# KiCad board PANEL_DRY_ELECTRODES.kicad_pcb (continued)
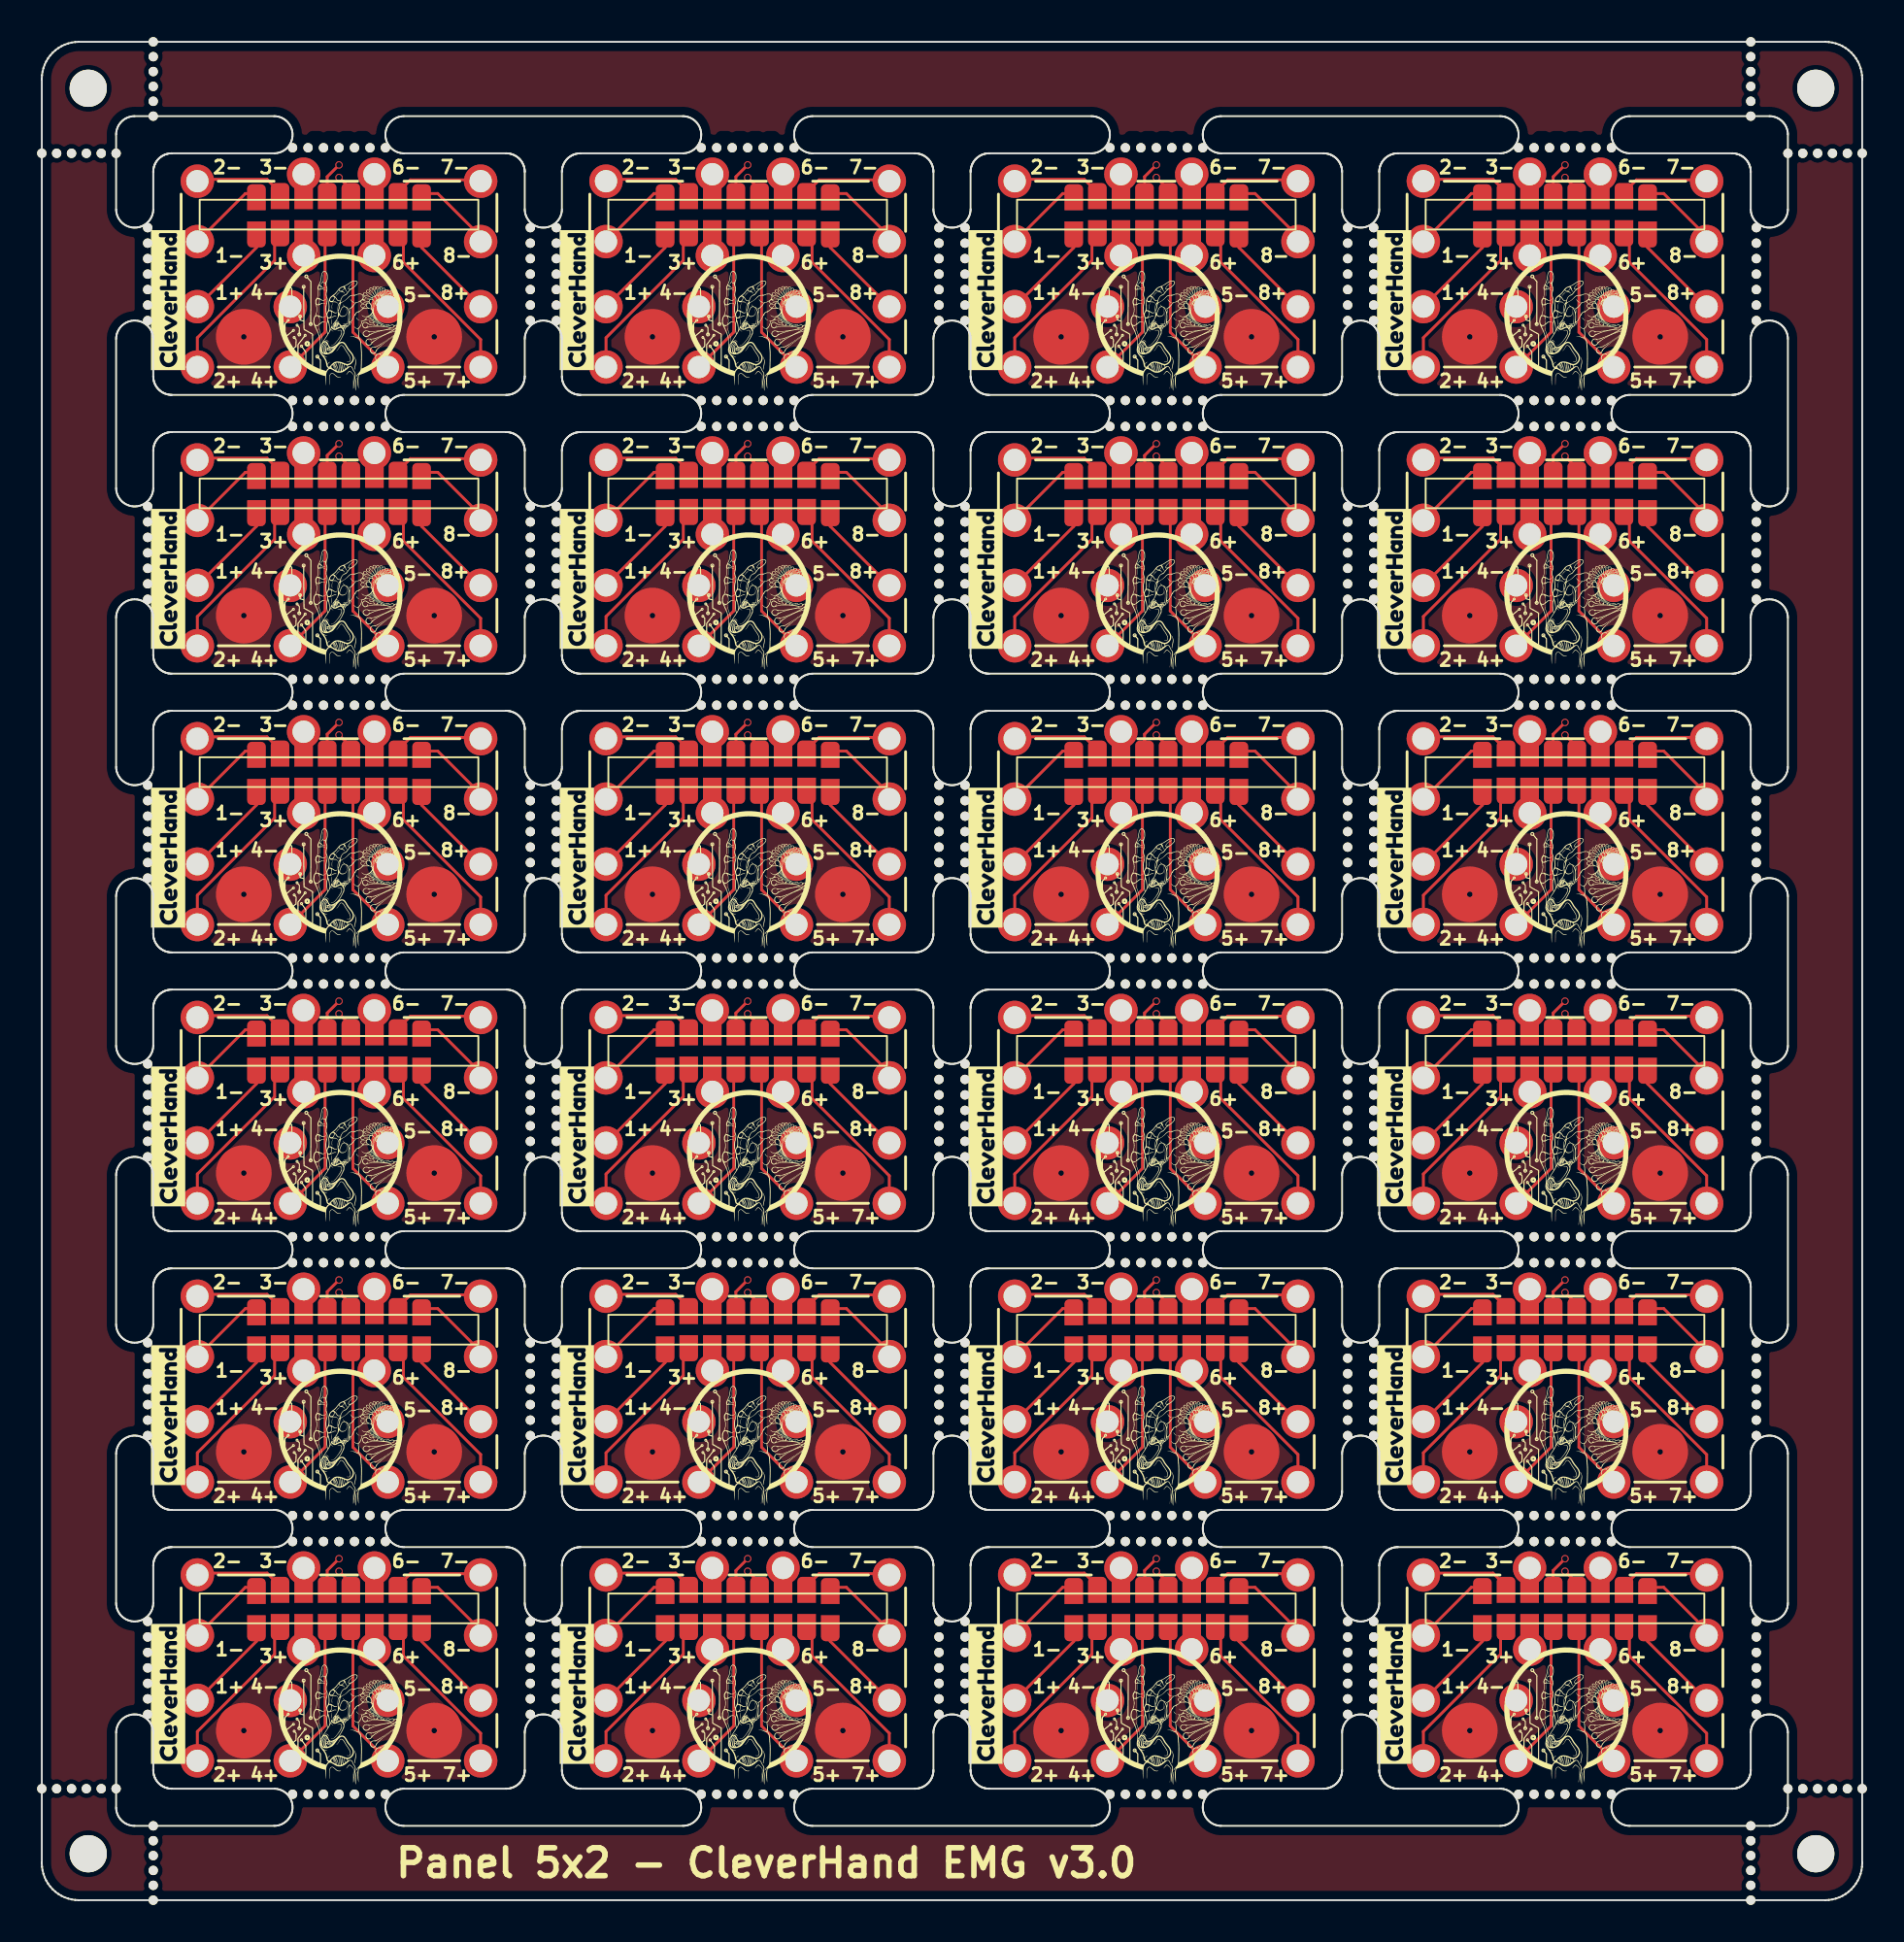
[diagram p0: board, top side]
## Nets (continued)
Board_22-GND: I3#13.1 I4.1
Board_23-/in1+: J9#8.1 J25#14.1
Board_23-/in1-: J1#4.1 J17#20.1
Board_23-/in2+: J10#6.1 J26#15.1
Board_23-/in2-: J2#15.1 J18#2.1
Board_23-/in3+: J11#14.1 J27#24.1
Board_23-/in3-: J3#6.1 J19#5.1
Board_23-/in4+: J12#21.1 J28#8.1
Board_23-/in4-: J4#16.1 J20#16.1
Board_23-/in5+: J13#15.1 J29#20.1
Board_23-/in5-: J5#2.1 J21#9.1
Board_23-/in6+: J14#6.1 J30#12.1
Board_23-/in6-: J6#20.1 J22#10.1
Board_23-/in7+: J15#19.1 J31#15.1
Board_23-/in7-: J7#9.1 J23#4.1
Board_23-/in8+: J16#7.1 J32#7.1
Board_23-/in8-: J8.1 J24#2.1
Board_23-GND: I3#14.1 I4#15.1

## Via types
v1: diameter 0.4, hole 0.3, Top to Bottom, 96 vias

## Routing (per net, layer and track width the routed paths; a pad name or vN(x,y) marks a point on that pad's centre or on a via; arc(x,y) is an arc through that point)
Board_0-/in1+: length 5
  Top w0.152: J25#10.1 11.55,88.93 J9#21.1
Board_0-/in1-: length 4.3
  Top w0.152: J1#22.1 10.96,91.84 J17#6.1
Board_0-/in2+: length 8.8
  Top w0.152: J26.1 8.38,84.08 12.53,88.23 12.53,89.21 J10.1
Board_0-/in2-: length 4.8
  Top w0.152: J2#11.1 12.12,92.6 8.48,92.6 J18.1
Board_0-/in4+: length 7.8
  Top w0.152: 15.25,89.5 15.25,84.38 J28.1
Board_0-/in4-: length 10.5
  Top w0.152: J4#6.1 15.37,92.74 v1(16,93.38)
  In2.Cu w0.152: v1(16,93.38) 15.57,92.95 15.57,87.95 J20#8.1
Board_0-/in5+: length 7.8
  Top w0.152: 16.75,89.5 16.75,84.38 J29#9.1
Board_0-/in5-: length 9.1
  Top w0.152: v1(16,92.7) 16.63,92.06 J5#23.1
  In2.Cu w0.152: J21#20.1 16.6,87.78 16.6,92.1 v1(16,92.7)
Board_0-/in7+: length 8.8
  Top w0.152: J15#10.1 19.47,89.21 19.47,88.14 23.62,83.98 J31#2.1
Board_0-/in7-: length 4.8
  Top w0.152: J7#3.1 19.85,92.57 23.55,92.57 J23#11.1
Board_0-/in8+: length 5
  Top w0.152: J16#2.1 20.45,88.93 J32#18.1
Board_0-/in8-: length 4.4
  Top w0.152: J8#19.1 21.32,91.84 23.62,89.53 J24#5.1
Board_0-GND:
  vias: v1(10.88,84.12) v1(21.12,84.12)
Board_1-/in1+: length 5
  Top w0.152: J25#3.1 33.55,88.93 J9#24.1
Board_1-/in1-: length 4.3
  Top w0.152: J17#24.1 32.96,91.84 J1#13.1
Board_1-/in2+: length 8.8
  Top w0.152: J10#21.1 34.53,89.21 34.53,88.23 30.38,84.08 J26#16.1
Board_1-/in2-: length 4.8
  Top w0.152: J18#24.1 30.48,92.6 34.12,92.6 J2#8.1
Board_1-/in4+: length 7.8
  Top w0.152: 37.25,89.5 37.25,84.38 J28#2.1
Board_1-/in4-: length 10.5
  Top w0.152: v1(38,93.38) 37.37,92.74 J4#12.1
  In2.Cu w0.152: v1(38,93.38) 37.57,92.95 37.57,87.95 J20#20.1
Board_1-/in5+: length 7.8
  Top w0.152: 38.75,89.5 38.75,84.38 J29#15.1
Board_1-/in5-: length 9.1
  Top w0.152: v1(38,92.7) 38.63,92.06 J5#16.1
  In2.Cu w0.152: J21#21.1 38.6,87.78 38.6,92.1 v1(38,92.7)
Board_1-/in7+: length 8.8
  Top w0.152: J31#18.1 45.62,83.98 41.47,88.14 41.47,89.21 J15#17.1
Board_1-/in7-: length 4.8
  Top w0.152: J23#21.1 45.55,92.57 41.85,92.57 J7#21.1
Board_1-/in8+: length 5
  Top w0.152: J32#4.1 42.45,88.93 J16#15.1
Board_1-/in8-: length 4.4
  Top w0.152: J24#4.1 45.62,89.53 43.31,91.84 J8#5.1
Board_1-GND:
  vias: v1(32.88,84.12) v1(43.12,84.12)
Board_2-/in1+: length 5
  Top w0.152: J9#13.1 55.55,88.93 J25#4.1
Board_2-/in1-: length 4.3
  Top w0.152: J1#10.1 54.96,91.84 J17#12.1
Board_2-/in2+: length 8.8
  Top w0.152: J10#18.1 56.53,89.21 56.53,88.23 52.38,84.08 J26#20.1
Board_2-/in2-: length 4.8
  Top w0.152: J18#8.1 52.48,92.6 56.12,92.6 J2#24.1
Board_2-/in4+: length 7.8
  Top w0.152: 59.25,89.5 59.25,84.38 J28#13.1
Board_2-/in4-: length 10.5
  Top w0.152: J4#2.1 59.37,92.74 v1(60,93.38)
  In2.Cu w0.152: v1(60,93.38) 59.57,92.95 59.57,87.95 J20#23.1
Board_2-/in5+: length 7.8
  Top w0.152: J29#22.1 60.75,84.38 60.75,89.5
Board_2-/in5-: length 9.1
  Top w0.152: v1(60,92.7) 60.63,92.06 J5#19.1
  In2.Cu w0.152: J21#8.1 60.6,87.78 60.6,92.1 v1(60,92.7)
Board_2-/in7+: length 8.8
  Top w0.152: J31#8.1 67.62,83.98 63.47,88.14 63.47,89.21 J15#7.1
Board_2-/in7-: length 4.8
  Top w0.152: J7#22.1 63.85,92.57 67.55,92.57 J23#17.1
Board_2-/in8+: length 5
  Top w0.152: J32#17.1 64.44,88.93 J16#3.1
Board_2-/in8-: length 4.4
  Top w0.152: J8#6.1 65.31,91.84 67.62,89.53 J24#14.1
Board_2-GND:
  vias: v1(54.88,84.12) v1(65.12,84.12)
Board_3-/in1+: length 5
  Top w0.152: J9.1 77.56,88.93 J25#21.1
Board_3-/in1-: length 4.3
  Top w0.152: J1#6.1 76.96,91.84 J17#5.1
Board_3-/in2+: length 8.8
  Top w0.152: J10#2.1 78.53,89.21 78.53,88.23 74.38,84.08 J26#3.1
Board_3-/in2-: length 4.8
  Top w0.152: J2#23.1 78.12,92.6 74.47,92.6 J18#7.1
Board_3-/in4+: length 7.8
  Top w0.152: 81.25,89.5 81.25,84.38 J28#9.1
Board_3-/in4-: length 10.5
  Top w0.152: v1(82,93.38) 81.37,92.74 J4#24.1
  In2.Cu w0.152: J20#13.1 81.57,87.95 81.57,92.95 v1(82,93.38)
Board_3-/in5+: length 7.8
  Top w0.152: J29#8.1 82.75,84.38 82.75,89.5
Board_3-/in5-: length 9.1
  Top w0.152: v1(82,92.7) 82.63,92.06 J5#14.1
  In2.Cu w0.152: v1(82,92.7) 82.6,92.1 82.6,87.78 J21#18.1
Board_3-/in7+: length 8.8
  Top w0.152: J15#9.1 85.47,89.21 85.47,88.14 89.62,83.98 J31#7.1
Board_3-/in7-: length 4.8
  Top w0.152: J23#5.1 89.55,92.57 85.85,92.57 J7#12.1
Board_3-/in8+: length 5
  Top w0.152: J32#13.1 86.44,88.93 J16#11.1
Board_3-/in8-: length 4.4
  Top w0.152: J24#6.1 89.62,89.53 87.31,91.84 J8#24.1
Board_3-GND:
  vias: v1(76.88,84.12) v1(87.12,84.12)
Board_4-/in1+: length 5
  Top w0.152: J9#7.1 11.55,73.93 J25#7.1
Board_4-/in1-: length 4.3
  Top w0.152: J1#18.1 10.96,76.84 J17#15.1
Board_4-/in2+: length 8.8
  Top w0.152: J26#12.1 8.38,69.08 12.53,73.23 12.53,74.21 J10#8.1
Board_4-/in2-: length 4.8
  Top w0.152: J2#20.1 12.12,77.6 8.48,77.6 J18#13.1
Board_4-/in4+: length 7.8
  Top w0.152: J28#3.1 15.25,69.38 15.25,74.5
Board_4-/in4-: length 10.5
  Top w0.152: J4#8.1 15.37,77.74 v1(16,78.38)
  In2.Cu w0.152: J20#2.1 15.57,72.95 15.57,77.95 v1(16,78.38)
Board_4-/in5+: length 7.8
  Top w0.152: 16.75,74.5 16.75,69.38 J29#19.1
Board_4-/in5-: length 9.1
  Top w0.152: v1(16,77.7) 16.63,77.06 J5#7.1
  In2.Cu w0.152: J21#2.1 16.6,72.78 16.6,77.1 v1(16,77.7)
Board_4-/in7+: length 8.8
  Top w0.152: J15#21.1 19.47,74.21 19.47,73.14 23.62,68.98 J31#24.1
Board_4-/in7-: length 4.8
  Top w0.152: J23#20.1 23.55,77.57 19.85,77.57 J7#15.1
Board_4-/in8+: length 5
  Top w0.152: J32.1 20.45,73.93 J16.1
Board_4-/in8-: length 4.4
  Top w0.152: J8#2.1 21.32,76.84 23.62,74.53 J24#17.1
Board_4-GND:
  vias: v1(10.88,69.12) v1(21.12,69.12)
Board_5-/in1+: length 5
  Top w0.152: J9#11.1 33.55,73.93 J25#18.1
Board_5-/in1-: length 4.3
  Top w0.152: J1#9.1 32.96,76.84 J17.1
Board_5-/in2+: length 8.8
  Top w0.152: J10#23.1 34.53,74.21 34.53,73.23 30.38,69.08 J26#5.1
Board_5-/in2-: length 4.8
  Top w0.152: J2#13.1 34.12,77.6 30.48,77.6 J18#11.1
Board_5-/in4+: length 7.8
  Top w0.152: J28#4.1 37.25,69.38 37.25,74.5
Board_5-/in4-: length 10.5
  Top w0.152: J4#20.1 37.37,77.74 v1(38,78.38)
  In2.Cu w0.152: v1(38,78.38) 37.57,77.95 37.57,72.95 J20#18.1
Board_5-/in5+: length 7.8
  Top w0.152: 38.75,74.5 38.75,69.38 J29#21.1
Board_5-/in5-: length 9.1
  Top w0.152: J5#24.1 38.63,77.06 v1(38,77.7)
  In2.Cu w0.152: v1(38,77.7) 38.6,77.1 38.6,72.78 J21#15.1
Board_5-/in7+: length 8.8
  Top w0.152: J15#24.1 41.47,74.21 41.47,73.14 45.62,68.98 J31#13.1
Board_5-/in7-: length 4.8
  Top w0.152: J23#22.1 45.55,77.57 41.85,77.57 J7#14.1
Board_5-/in8+: length 5
  Top w0.152: J32#8.1 42.45,73.93 J16#10.1
Board_5-/in8-: length 4.4
  Top w0.152: J24#15.1 45.62,74.53 43.31,76.84 J8#15.1
Board_5-GND:
  vias: v1(32.88,69.12) v1(43.12,69.12)
Board_6-/in1+: length 5
  Top w0.152: J25#20.1 55.55,73.93 J9#23.1
Board_6-/in1-: length 4.3
  Top w0.152: J17#3.1 54.96,76.84 J1#24.1
Board_6-/in2+: length 8.8
  Top w0.152: J26#11.1 52.38,69.08 56.53,73.23 56.53,74.21 J10#4.1
Board_6-/in2-: length 4.8
  Top w0.152: J2#2.1 56.12,77.6 52.48,77.6 J18#6.1
Board_6-/in4+: length 7.8
  Top w0.152: 59.25,74.5 59.25,69.38 J28#7.1
Board_6-/in4-: length 10.5
  Top w0.152: J4#10.1 59.37,77.74 v1(60,78.38)
  In2.Cu w0.152: v1(60,78.38) 59.57,77.95 59.57,72.95 J20.1
Board_6-/in5+: length 7.8
  Top w0.152: J29#24.1 60.75,69.38 60.75,74.5
Board_6-/in5-: length 9.1
  Top w0.152: J5#22.1 60.63,77.06 v1(60,77.7)
  In2.Cu w0.152: J21#10.1 60.6,72.78 60.6,77.1 v1(60,77.7)
Board_6-/in7+: length 8.8
  Top w0.152: J15#15.1 63.47,74.21 63.47,73.14 67.62,68.98 J31#6.1
Board_6-/in7-: length 4.8
  Top w0.152: J23#10.1 67.55,77.57 63.85,77.57 J7#17.1
Board_6-/in8+: length 5
  Top w0.152: J32#24.1 64.44,73.93 J16#13.1
Board_6-/in8-: length 4.4
  Top w0.152: J24#8.1 67.62,74.53 65.31,76.84 J8#21.1
Board_6-GND:
  vias: v1(54.88,69.12) v1(65.12,69.12)
Board_7-/in1+: length 5
  Top w0.152: J25#13.1 77.56,73.93 J9#22.1
Board_7-/in1-: length 4.3
  Top w0.152: J1#11.1 76.96,76.84 J17#2.1
Board_7-/in2+: length 8.8
  Top w0.152: J26#6.1 74.38,69.08 78.53,73.23 78.53,74.21 J10#24.1
Board_7-/in2-: length 4.8
  Top w0.152: J18#16.1 74.47,77.6 78.12,77.6 J2#7.1
Board_7-/in4+: length 7.8
  Top w0.152: J28#5.1 81.25,69.38 81.25,74.5
Board_7-/in4-: length 10.5
  Top w0.152: J4#21.1 81.37,77.74 v1(82,78.38)
  In2.Cu w0.152: v1(82,78.38) 81.57,77.95 81.57,72.95 J20#9.1
Board_7-/in5+: length 7.8
  Top w0.152: J29#11.1 82.75,69.38 82.75,74.5
Board_7-/in5-: length 9.1
  Top w0.152: v1(82,77.7) 82.63,77.06 J5#13.1
  In2.Cu w0.152: J21#11.1 82.6,72.78 82.6,77.1 v1(82,77.7)
Board_7-/in7+: length 8.8
  Top w0.152: J31#20.1 89.62,68.98 85.47,73.14 85.47,74.21 J15#16.1
Board_7-/in7-: length 4.8
  Top w0.152: J7#18.1 85.85,77.57 89.55,77.57 J23#19.1
Board_7-/in8+: length 5
  Top w0.152: J16#17.1 86.44,73.93 J32#21.1
Board_7-/in8-: length 4.4
  Top w0.152: J24#13.1 89.62,74.53 87.31,76.84 J8#12.1
Board_7-GND:
  vias: v1(76.88,69.12) v1(87.12,69.12)
Board_8-/in1+: length 5
  Top w0.152: J9#19.1 11.55,58.93 J25#24.1
Board_8-/in1-: length 4.3
  Top w0.152: J17#16.1 10.96,61.84 J1#21.1
Board_8-/in2+: length 8.8
  Top w0.152: J26#7.1 8.38,54.08 12.53,58.23 12.53,59.21 J10#14.1
Board_8-/in2-: length 4.8
  Top w0.152: J18#10.1 8.48,62.6 12.12,62.6 J2#21.1
Board_8-/in4+: length 7.8
  Top w0.152: 15.25,59.5 15.25,54.38 J28#20.1
Board_8-/in4-: length 10.5
  Top w0.152: v1(16,63.38) 15.37,62.74 J4#23.1
  In2.Cu w0.152: J20#17.1 15.57,57.95 15.57,62.95 v1(16,63.38)
Board_8-/in5+: length 7.8
  Top w0.152: 16.75,59.5 16.75,54.38 J29#6.1
Board_8-/in5-: length 9.1
  Top w0.152: v1(16,62.7) 16.63,62.06 J5#18.1
  In2.Cu w0.152: v1(16,62.7) 16.6,62.1 16.6,57.77 J21#24.1
Board_8-/in7+: length 8.8
  Top w0.152: J15#5.1 19.47,59.21 19.47,58.14 23.62,53.98 J31#12.1
Board_8-/in7-: length 4.8
  Top w0.152: J7#5.1 19.85,62.57 23.55,62.57 J23#7.1
Board_8-/in8+: length 5
  Top w0.152: J32#12.1 20.45,58.93 J16#12.1
Board_8-/in8-: length 4.4
  Top w0.152: J8#13.1 21.32,61.84 23.62,59.52 J24.1
Board_8-GND:
  vias: v1(10.88,54.12) v1(21.12,54.12)
Board_9-/in1+: length 5
  Top w0.152: J25#11.1 33.55,58.93 J9#5.1
Board_9-/in1-: length 4.3
  Top w0.152: J1#5.1 32.96,61.84 J17#7.1
Board_9-/in2+: length 8.8
  Top w0.152: J26#21.1 30.38,54.08 34.53,58.23 34.53,59.21 J10#5.1
Board_9-/in2-: length 4.8
  Top w0.152: J18#21.1 30.48,62.6 34.12,62.6 J2#22.1
Board_9-/in4+: length 7.8
  Top w0.152: J28#16.1 37.25,54.38 37.25,59.5
Board_9-/in4-: length 10.5
  Top w0.152: v1(38,63.38) 37.37,62.74 J4#19.1
  In2.Cu w0.152: v1(38,63.38) 37.57,62.95 37.57,57.95 J20#3.1
Board_9-/in5+: length 7.8
  Top w0.152: J29#12.1 38.75,54.38 38.75,59.5
Board_9-/in5-: length 9.1
  Top w0.152: J5#10.1 38.63,62.06 v1(38,62.7)
  In2.Cu w0.152: J21#22.1 38.6,57.77 38.6,62.1 v1(38,62.7)
Board_9-/in7+: length 8.8
  Top w0.152: J15#11.1 41.47,59.21 41.47,58.14 45.62,53.98 J31#23.1
Board_9-/in7-: length 4.8
  Top w0.152: J23#16.1 45.55,62.57 41.85,62.57 J7#13.1
Board_9-/in8+: length 5
  Top w0.152: J32#3.1 42.45,58.93 J16#24.1
Board_9-/in8-: length 4.4
  Top w0.152: J8#3.1 43.31,61.84 45.62,59.52 J24#18.1
Board_9-GND:
  vias: v1(32.88,54.12) v1(43.12,54.12)
Board_10-/in1+: length 5
  Top w0.152: J9#15.1 55.55,58.93 J25#5.1
Board_10-/in1-: length 4.3
  Top w0.152: J1.1 54.96,61.84 J17#21.1
Board_10-/in2+: length 8.8
  Top w0.152: J10#15.1 56.53,59.21 56.53,58.23 52.38,54.08 J26#24.1
Board_10-/in2-: length 4.8
  Top w0.152: J2#12.1 56.12,62.6 52.48,62.6 J18#9.1
Board_10-/in4+: length 7.8
  Top w0.152: J28#17.1 59.25,54.38 59.25,59.5
Board_10-/in4-: length 10.5
  Top w0.152: J4.1 59.37,62.74 v1(60,63.38)
  In2.Cu w0.152: J20#5.1 59.57,57.95 59.57,62.95 v1(60,63.38)
Board_10-/in5+: length 7.8
  Top w0.152: J29#18.1 60.75,54.38 60.75,59.5
Board_10-/in5-: length 9.1
  Top w0.152: v1(60,62.7) 60.63,62.06 J5#8.1
  In2.Cu w0.152: v1(60,62.7) 60.6,62.1 60.6,57.77 J21#4.1
Board_10-/in7+: length 8.8
  Top w0.152: J15#23.1 63.47,59.21 63.47,58.14 67.62,53.98 J31#10.1
Board_10-/in7-: length 4.8
  Top w0.152: J7#8.1 63.85,62.57 67.55,62.57 J23#6.1
Board_10-/in8+: length 5
  Top w0.152: J16#21.1 64.44,58.93 J32#22.1
Board_10-/in8-: length 4.4
  Top w0.152: J24#10.1 67.62,59.52 65.31,61.84 J8#20.1
Board_10-GND:
  vias: v1(54.88,54.12) v1(65.12,54.12)
Board_11-/in1+: length 5
  Top w0.152: J9#14.1 77.56,58.93 J25#22.1
Board_11-/in1-: length 4.3
  Top w0.152: J17#8.1 76.96,61.84 J1#7.1
Board_11-/in2+: length 8.8
  Top w0.152: J26#8.1 74.38,54.08 78.53,58.23 78.53,59.21 J10#10.1
Board_11-/in2-: length 4.8
  Top w0.152: J2#3.1 78.12,62.6 74.47,62.6 J18#20.1
Board_11-/in4+: length 7.8
  Top w0.152: 81.25,59.5 81.25,54.38 J28#18.1
Board_11-/in4-: length 10.5
  Top w0.152: J4#9.1 81.37,62.74 v1(82,63.38)
  In2.Cu w0.152: v1(82,63.38) 81.57,62.95 81.57,57.95 J20#10.1
Board_11-/in5+: length 7.8
  Top w0.152: 82.75,59.5 82.75,54.38 J29#17.1
Board_11-/in5-: length 9.1
  Top w0.152: v1(82,62.7) 82.63,62.06 J5#11.1
  In2.Cu w0.152: J21#12.1 82.6,57.77 82.6,62.1 v1(82,62.7)
Board_11-/in7+: length 8.8
  Top w0.152: J15#3.1 85.47,59.21 85.47,58.14 89.62,53.98 J31#21.1
Board_11-/in7-: length 4.8
  Top w0.152: J7.1 85.85,62.57 89.55,62.57 J23#13.1
Board_11-/in8+: length 5
  Top w0.152: J32#14.1 86.44,58.93 J16#22.1
Board_11-/in8-: length 4.4
  Top w0.152: J8#4.1 87.31,61.84 89.62,59.52 J24#16.1
Board_11-GND:
  vias: v1(76.88,54.12) v1(87.12,54.12)
Board_12-/in1+: length 5
  Top w0.152: J9#2.1 11.55,43.93 J25#2.1
Board_12-/in1-: length 4.3
  Top w0.152: J17#17.1 10.96,46.84 J1#12.1
Board_12-/in2+: length 8.8
  Top w0.152: J10#11.1 12.53,44.21 12.53,43.23 8.38,39.08 J26#4.1
Board_12-/in2-: length 4.8
  Top w0.152: J18#15.1 8.48,47.6 12.12,47.6 J2#17.1
Board_12-/in4+: length 7.8
  Top w0.152: 15.25,44.5 15.25,39.38 J28#14.1
Board_12-/in4-: length 10.5
  Top w0.152: v1(16,48.38) 15.37,47.74 J4#7.1
  In2.Cu w0.152: J20#15.1 15.57,42.95 15.57,47.95 v1(16,48.38)
Board_12-/in5+: length 7.8
  Top w0.152: J29#4.1 16.75,39.38 16.75,44.5
Board_12-/in5-: length 9.1
  Top w0.152: v1(16,47.7) 16.63,47.06 J5#3.1
  In2.Cu w0.152: J21#6.1 16.6,42.77 16.6,47.1 v1(16,47.7)
Board_12-/in7+: length 8.8
  Top w0.152: J31#5.1 23.62,38.98 19.47,43.14 19.47,44.21 J15#6.1
Board_12-/in7-: length 4.8
  Top w0.152: J23.1 23.55,47.57 19.85,47.57 J7#19.1
Board_12-/in8+: length 5
  Top w0.152: J16#16.1 20.45,43.93 J32#9.1
Board_12-/in8-: length 4.4
  Top w0.152: J24#11.1 23.62,44.52 21.32,46.84 J8#23.1
Board_12-GND:
  vias: v1(10.88,39.12) v1(21.12,39.12)
Board_13-/in1+: length 5
  Top w0.152: J9#9.1 33.55,43.93 J25#15.1
Board_13-/in1-: length 4.3
  Top w0.152: J1#3.1 32.96,46.84 J17#14.1
Board_13-/in2+: length 8.8
  Top w0.152: J26#2.1 30.38,39.08 34.53,43.23 34.53,44.21 J10#20.1
Board_13-/in2-: length 4.8
  Top w0.152: J2#4.1 34.12,47.6 30.48,47.6 J18#19.1
Board_13-/in4+: length 7.8
  Top w0.152: J28#15.1 37.25,39.38 37.25,44.5
Board_13-/in4-: length 10.5
  Top w0.152: v1(38,48.38) 37.37,47.74 J4#22.1
  In2.Cu w0.152: v1(38,48.38) 37.57,47.95 37.57,42.95 J20#21.1
Board_13-/in5+: length 7.8
  Top w0.152: 38.75,44.5 38.75,39.38 J29#16.1
Board_13-/in5-: length 9.1
  Top w0.152: v1(38,47.7) 38.63,47.06 J5#9.1
  In2.Cu w0.152: v1(38,47.7) 38.6,47.1 38.6,42.77 J21#16.1
Board_13-/in7+: length 8.8
  Top w0.152: J31#3.1 45.62,38.98 41.47,43.14 41.47,44.21 J15#14.1
Board_13-/in7-: length 4.8
  Top w0.152: J7#2.1 41.85,47.57 45.55,47.57 J23#23.1
Board_13-/in8+: length 5
  Top w0.152: J32#6.1 42.45,43.93 J16#18.1
Board_13-/in8-: length 4.4
  Top w0.152: J8#14.1 43.31,46.84 45.62,44.52 J24#3.1
Board_13-GND:
  vias: v1(32.88,39.12) v1(43.12,39.12)
Board_14-/in1+: length 5
  Top w0.152: J9#4.1 55.55,43.93 J25#6.1
Board_14-/in1-: length 4.3
  Top w0.152: J17#18.1 54.96,46.84 J1#19.1
Board_14-/in2+: length 8.8
  Top w0.152: J10#16.1 56.53,44.21 56.53,43.23 52.38,39.08 J26#9.1
Board_14-/in2-: length 4.8
  Top w0.152: J2#9.1 56.12,47.6 52.48,47.6 J18#5.1
Board_14-/in4+: length 7.8
  Top w0.152: 59.25,44.5 59.25,39.38 J28#22.1
Board_14-/in4-: length 10.5
  Top w0.152: J4#3.1 59.37,47.74 v1(60,48.38)
  In2.Cu w0.152: v1(60,48.38) 59.57,47.95 59.57,42.95 J20#19.1
Board_14-/in5+: length 7.8
  Top w0.152: 60.75,44.5 60.75,39.38 J29#14.1
Board_14-/in5-: length 9.1
  Top w0.152: J5#20.1 60.63,47.06 v1(60,47.7)
  In2.Cu w0.152: v1(60,47.7) 60.6,47.1 60.6,42.77 J21#19.1
Board_14-/in7+: length 8.8
  Top w0.152: J31.1 67.62,38.98 63.47,43.14 63.47,44.21 J15#2.1
Board_14-/in7-: length 4.8
  Top w0.152: J23#14.1 67.55,47.57 63.85,47.57 J7#10.1
Board_14-/in8+: length 5
  Top w0.152: J32#10.1 64.44,43.93 J16#23.1
Board_14-/in8-: length 4.4
  Top w0.152: J8#17.1 65.31,46.84 67.62,44.52 J24#12.1
Board_14-GND:
  vias: v1(54.88,39.12) v1(65.12,39.12)
Board_15-/in1+: length 5
  Top w0.152: J9#16.1 77.56,43.93 J25#19.1
Board_15-/in1-: length 4.3
  Top w0.152: J17#9.1 76.96,46.84 J1#8.1
Board_15-/in2+: length 8.8
  Top w0.152: J10#12.1 78.53,44.21 78.53,43.23 74.38,39.08 J26#23.1
Board_15-/in2-: length 4.8
  Top w0.152: J18#23.1 74.47,47.6 78.12,47.6 J2#16.1
Board_15-/in4+: length 7.8
  Top w0.152: J28#23.1 81.25,39.38 81.25,44.5
Board_15-/in4-: length 10.5
  Top w0.152: J4#13.1 81.37,47.74 v1(82,48.38)
  In2.Cu w0.152: v1(82,48.38) 81.57,47.95 81.57,42.95 J20#7.1
Board_15-/in5+: length 7.8
  Top w0.152: 82.75,44.5 82.75,39.38 J29#7.1
Board_15-/in5-: length 9.1
  Top w0.152: J5#12.1 82.63,47.06 v1(82,47.7)
  In2.Cu w0.152: J21#5.1 82.6,42.77 82.6,47.1 v1(82,47.7)
Board_15-/in7+: length 8.8
  Top w0.152: J31#14.1 89.62,38.98 85.47,43.14 85.47,44.21 J15#22.1
Board_15-/in7-: length 4.8
  Top w0.152: J7#23.1 85.85,47.57 89.55,47.57 J23#9.1
Board_15-/in8+: length 5
  Top w0.152: J32#5.1 86.44,43.93 J16#9.1
Board_15-/in8-: length 4.4
  Top w0.152: J24#24.1 89.62,44.52 87.31,46.84 J8#8.1
Board_15-GND:
  vias: v1(76.88,39.12) v1(87.12,39.12)
Board_16-/in1+: length 5
  Top w0.152: J25#16.1 11.55,28.93 J9#17.1
Board_16-/in1-: length 4.3
  Top w0.152: J1#17.1 10.96,31.83 J17#10.1
Board_16-/in2+: length 8.8
  Top w0.152: J26#22.1 8.38,24.08 12.53,28.23 12.53,29.21 J10#19.1
Board_16-/in2-: length 4.8
  Top w0.152: J2#14.1 12.12,32.6 8.48,32.6 J18#3.1
Board_16-/in4+: length 7.8
  Top w0.152: J28#21.1 15.25,24.38 15.25,29.5
Board_16-/in4-: length 10.5
  Top w0.152: J4#15.1 15.37,32.74 v1(16,33.38)
  In2.Cu w0.152: J20#24.1 15.57,27.95 15.57,32.95 v1(16,33.38)
Board_16-/in5+: length 7.8
  Top w0.152: J29#10.1 16.75,24.38 16.75,29.5
Board_16-/in5-: length 9.1
  Top w0.152: J5#4.1 16.63,32.06 v1(16,32.7)
  In2.Cu w0.152: J21#3.1 16.6,27.78 16.6,32.1 v1(16,32.7)
Board_16-/in7+: length 8.8
  Top w0.152: J15#8.1 19.47,29.21 19.47,28.14 23.62,23.98 J31#16.1
Board_16-/in7-: length 4.8
  Top w0.152: J7#16.1 19.85,32.57 23.55,32.57 J23#12.1
Board_16-/in8+: length 5
  Top w0.152: J16#8.1 20.45,28.93 J32#23.1
Board_16-/in8-: length 4.4
  Top w0.152: J8#11.1 21.32,31.83 23.62,29.53 J24#20.1
Board_16-GND:
  vias: v1(10.88,24.12) v1(21.12,24.12)
Board_17-/in1+: length 5
  Top w0.152: J25#9.1 33.55,28.93 J9#20.1
Board_17-/in1-: length 4.3
  Top w0.152: J1#16.1 32.96,31.83 J17#13.1
Board_17-/in2+: length 8.8
  Top w0.152: J26#17.1 30.38,24.08 34.53,28.23 34.53,29.21 J10#3.1
Board_17-/in2-: length 4.8
  Top w0.152: J18#4.1 30.48,32.6 34.12,32.6 J2.1
Board_17-/in4+: length 7.8
  Top w0.152: J28#24.1 37.25,24.38 37.25,29.5
Board_17-/in4-: length 10.5
  Top w0.152: J4#18.1 37.37,32.74 v1(38,33.38)
  In2.Cu w0.152: J20#4.1 37.57,27.95 37.57,32.95 v1(38,33.38)
Board_17-/in5+: length 7.8
  Top w0.152: J29#3.1 38.75,24.38 38.75,29.5
Board_17-/in5-: length 9.1
  Top w0.152: v1(38,32.7) 38.63,32.06 J5#5.1
  In2.Cu w0.152: J21#13.1 38.6,27.78 38.6,32.1 v1(38,32.7)
Board_17-/in7+: length 8.8
  Top w0.152: J15.1 41.47,29.21 41.47,28.14 45.62,23.98 J31#22.1
Board_17-/in7-: length 4.8
  Top w0.152: J7#4.1 41.85,32.57 45.55,32.57 J23#8.1
Board_17-/in8+: length 5
  Top w0.152: J16#20.1 42.45,28.93 J32#19.1
Board_17-/in8-: length 4.4
  Top w0.152: J8#16.1 43.31,31.83 45.62,29.53 J24#22.1
Board_17-GND:
  vias: v1(32.88,24.12) v1(43.12,24.12)
Board_18-/in1+: length 5
  Top w0.152: J25.1 55.55,28.93 J9#3.1
Board_18-/in1-: length 4.3
  Top w0.152: J17#23.1 54.96,31.83 J1#20.1
Board_18-/in2+: length 8.8
  Top w0.152: J10#9.1 56.53,29.21 56.53,28.23 52.38,24.08 J26#13.1
Board_18-/in2-: length 4.8
  Top w0.152: J18#14.1 52.48,32.6 56.12,32.6 J2#5.1
Board_18-/in4+: length 7.8
  Top w0.152: J28#12.1 59.25,24.38 59.25,29.5
Board_18-/in4-: length 10.5
  Top w0.152: J4#4.1 59.37,32.74 v1(60,33.38)
  In2.Cu w0.152: J20#12.1 59.57,27.95 59.57,32.95 v1(60,33.38)
Board_18-/in5+: length 7.8
  Top w0.152: 60.75,29.5 60.75,24.38 J29.1
Board_18-/in5-: length 9.1
  Top w0.152: J5#15.1 60.63,32.06 v1(60,32.7)
  In2.Cu w0.152: v1(60,32.7) 60.6,32.1 60.6,27.78 J21#23.1
Board_18-/in7+: length 8.8
  Top w0.152: J15#12.1 63.47,29.21 63.47,28.14 67.62,23.98 J31#11.1
Board_18-/in7-: length 4.8
  Top w0.152: J7#6.1 63.85,32.57 67.55,32.57 J23#3.1
Board_18-/in8+: length 5
  Top w0.152: J32#20.1 64.44,28.93 J16#14.1
Board_18-/in8-: length 4.4
  Top w0.152: J24#19.1 67.62,29.53 65.31,31.83 J8#7.1
Board_18-GND:
  vias: v1(54.88,24.12) v1(65.12,24.12)
Board_19-/in1+: length 5
  Top w0.152: J9#18.1 77.56,28.93 J25#12.1
Board_19-/in1-: length 4.3
  Top w0.152: J1#23.1 76.96,31.83 J17#11.1
Board_19-/in2+: length 8.8
  Top w0.152: J26#18.1 74.38,24.08 78.53,28.23 78.53,29.21 J10#7.1
Board_19-/in2-: length 4.8
  Top w0.152: J2#10.1 78.12,32.6 74.47,32.6 J18#18.1
Board_19-/in4+: length 7.8
  Top w0.152: J28#10.1 81.25,24.38 81.25,29.5
Board_19-/in4-: length 10.5
  Top w0.152: J4#17.1 81.37,32.74 v1(82,33.38)
  In2.Cu w0.152: J20#14.1 81.57,27.95 81.57,32.95 v1(82,33.38)
Board_19-/in5+: length 7.8
  Top w0.152: 82.75,29.5 82.75,24.38 J29#5.1
Board_19-/in5-: length 9.1
  Top w0.152: v1(82,32.7) 82.63,32.06 J5#17.1
  In2.Cu w0.152: J21#14.1 82.6,27.78 82.6,32.1 v1(82,32.7)
Board_19-/in7+: length 8.8
  Top w0.152: J31#4.1 89.62,23.98 85.47,28.14 85.47,29.21 J15#4.1
Board_19-/in7-: length 4.8
  Top w0.152: J23#15.1 89.55,32.57 85.85,32.57 J7#20.1
Board_19-/in8+: length 5
  Top w0.152: J16#4.1 86.44,28.93 J32#15.1
Board_19-/in8-: length 4.4
  Top w0.152: J8#18.1 87.31,31.83 89.62,29.53 J24#21.1
Board_19-GND:
  vias: v1(76.88,24.12) v1(87.12,24.12)
Board_20-/in1+: length 5
  Top w0.152: J9#12.1 11.55,13.93 J25#8.1
Board_20-/in1-: length 4.3
  Top w0.152: J1#14.1 10.96,16.83 J17#22.1
Board_20-/in2+: length 8.8
  Top w0.152: J26#10.1 8.38,9.08 12.53,13.23 12.53,14.21 J10#13.1
Board_20-/in2-: length 4.8
  Top w0.152: J18#17.1 8.48,17.6 12.12,17.6 J2#6.1
Board_20-/in4+: length 7.8
  Top w0.152: J28#6.1 15.25,9.38 15.25,14.5
Board_20-/in4-: length 10.5
  Top w0.152: J4#11.1 15.37,17.74 v1(16,18.38)
  In2.Cu w0.152: v1(16,18.38) 15.57,17.95 15.57,12.95 J20#11.1
Board_20-/in5+: length 7.8
  Top w0.152: 16.75,14.5 16.75,9.38 J29#13.1
Board_20-/in5-: length 9.1
  Top w0.152: v1(16,17.7) 16.63,17.06 J5.1
  In2.Cu w0.152: v1(16,17.7) 16.6,17.1 16.6,12.78 J21#7.1
Board_20-/in7+: length 8.8
  Top w0.152: J15#20.1 19.47,14.21 19.47,13.14 23.62,8.98 J31#17.1
Board_20-/in7-: length 4.8
  Top w0.152: J7#24.1 19.85,17.57 23.55,17.57 J23#2.1
Board_20-/in8+: length 5
  Top w0.152: J32#11.1 20.45,13.93 J16#19.1
Board_20-/in8-: length 4.4
  Top w0.152: J24#23.1 23.62,14.53 21.32,16.83 J8#10.1
Board_20-GND:
  vias: v1(10.88,9.12) v1(21.12,9.12)
Board_21-/in1+: length 5
  Top w0.152: J25#17.1 33.55,13.93 J9#6.1
Board_21-/in1-: length 4.3
  Top w0.152: J17#19.1 32.96,16.83 J1#2.1
Board_21-/in2+: length 8.8
  Top w0.152: J26#14.1 30.38,9.08 34.53,13.23 34.53,14.21 J10#22.1
Board_21-/in2-: length 4.8
  Top w0.152: J2#19.1 34.12,17.6 30.48,17.6 J18#22.1
Board_21-/in4+: length 7.8
  Top w0.152: 37.25,14.5 37.25,9.38 J28#19.1
Board_21-/in4-: length 10.5
  Top w0.152: v1(38,18.38) 37.37,17.74 J4#5.1
  In2.Cu w0.152: v1(38,18.38) 37.57,17.95 37.57,12.95 J20#6.1
Board_21-/in5+: length 7.8
  Top w0.152: 38.75,14.5 38.75,9.38 J29#23.1
Board_21-/in5-: length 9.1
  Top w0.152: v1(38,17.7) 38.63,17.06 J5#6.1
  In2.Cu w0.152: v1(38,17.7) 38.6,17.1 38.6,12.78 J21.1
Board_21-/in7+: length 8.8
  Top w0.152: J31#19.1 45.62,8.98 41.47,13.14 41.47,14.21 J15#13.1
Board_21-/in7-: length 4.8
  Top w0.152: J23#18.1 45.55,17.57 41.85,17.57 J7#7.1
Board_21-/in8+: length 5
  Top w0.152: J32#2.1 42.45,13.93 J16#5.1
Board_21-/in8-: length 4.4
  Top w0.152: J8#9.1 43.31,16.83 45.62,14.53 J24#9.1
Board_21-GND:
  vias: v1(32.88,9.12) v1(43.12,9.12)
Board_22-/in1+: length 5
  Top w0.152: J9#10.1 55.55,13.93 J25#23.1